# KiCad board accelerator.kicad_pcb (continued)
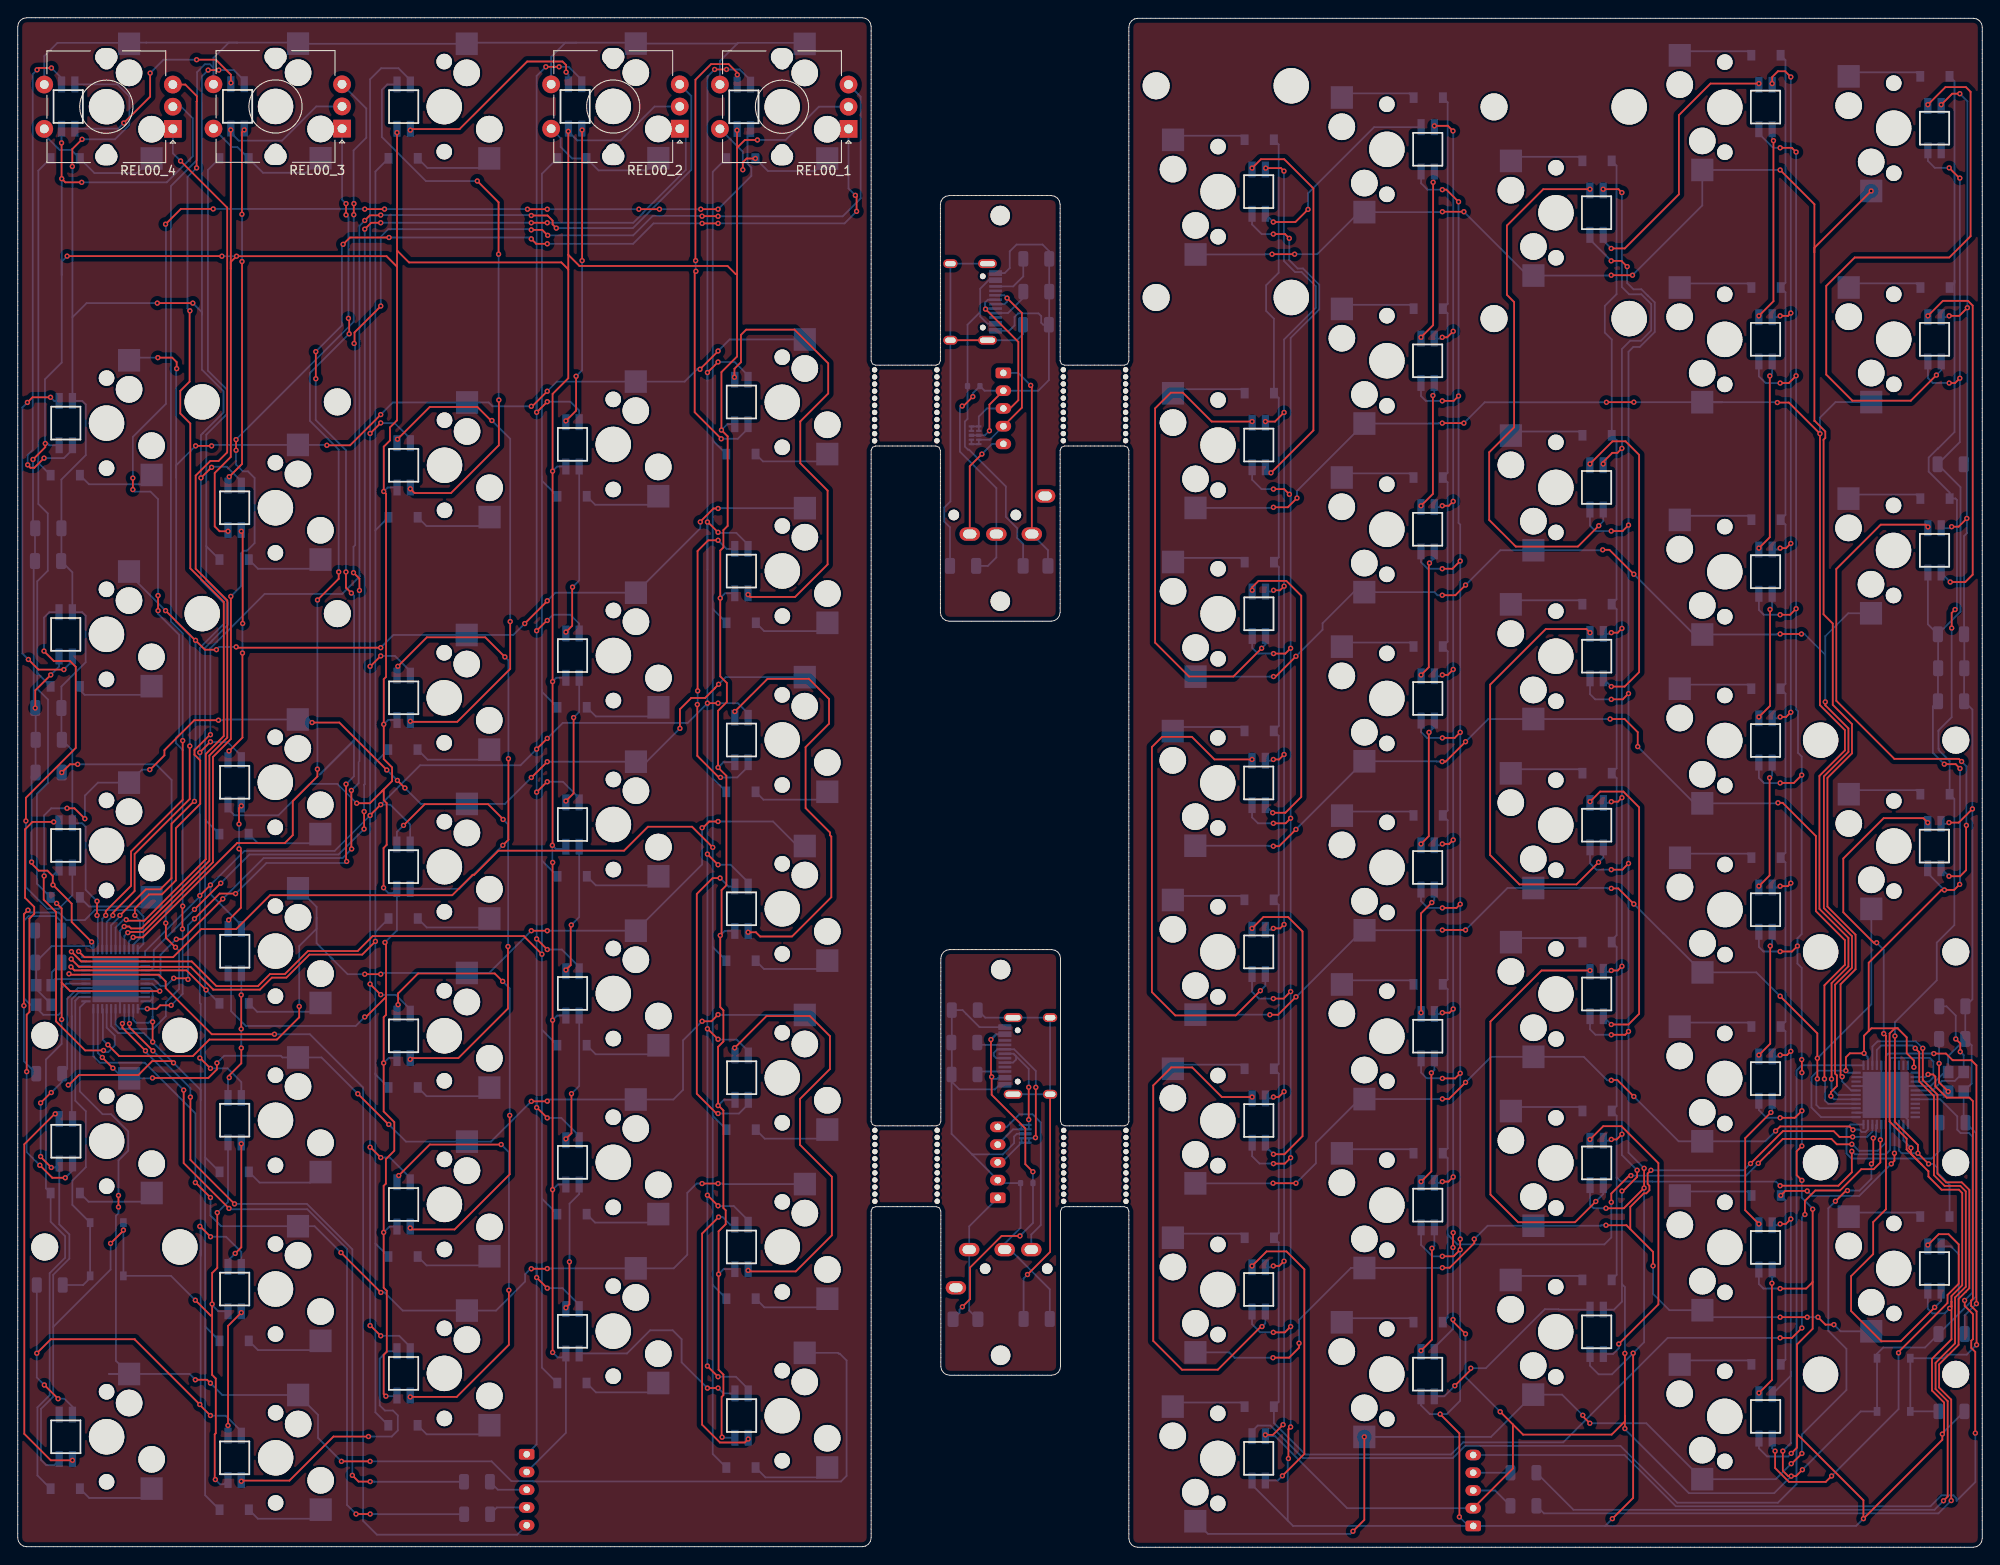
[diagram p0: board, top side]
## Routing (per net, layer and track width the routed paths; a pad name or vN(x,y) marks a point on that pad's centre or on a via; arc(x,y) is an arc through that point) (continued)
GNDLD: length 72.3
  Top w0.2: v1(106.5,128.7) 106.64,128.7 v1(107.7,129.76) ; v1(109.57,125.91) 109.57,128.86 JLD2.2
  Bottom w0.2: CLD1.1 109.39,110.67 110.35,111.63 JLD1.3 110.35,119.45 106.24,123.56 106.24,128.44 v1(106.5,128.7) ; USBLD1.A1 111.8,137.19 112.4,137.79 112.4,138.74 112.81,139.15 115.1,139.15 115.41,138.84 115.41,138.09 115.63,137.87 RLD1.1 ; RLD1.1 116.27,131.63 115.08,130.43 JLD2.2 109.02,130.43 ESDDLD1.2 107.7,130.15 v1(107.7,129.76) ; RLD1.1 116.31,137.91 RLD2.1 RLD3.1 116.31,146.16 115.56,146.91 112.63,146.91 111.86,146.14 111.86,144.26 111.29,143.69 USBLD1.A12 ; v1(109.57,125.91) 109.06,125.4 ULD1.3 ULD1.8
GNDPWRLD: length 48.3
  Top w0.2: USBLD1.S1 USBLD1.S1
  Bottom w0.2: USBLD1.S1 112.66,136.12 113.35,136.81 RLD1.2 ; CLD1.2 105.12,115.03 104.48,115.67 104.48,117.25 105.17,117.94 USBLD1.S1 USBLD1.S1 USBLD1.S1
GNDPWRRD: length 47.9
  Top w0.2: v1(113.86,30.76) 116.41,33.31 USBRD1.S1
  Bottom w0.2: RRD1.2 109.1,59.73 USBRD1.S1 USBRD1.S1 USBRD1.S1 USBRD1.S1 ; CRD1.2 113.42,30.32 v1(113.86,30.76)
GNDR: length 981.9
  Top w0.2: v1(178.77,153.16) 180.5,153.16 v1(180.88,152.78) ; v1(182.6,42.52) 182.6,41.77 181.01,40.18 v1(180.89,40.18) ; v1(140.68,12.68) 141.53,12.68 v1(142.68,13.82) ; v1(179.69,65.05) 180.41,65.05 v1(180.89,65.53) ; v1(142.79,70.24) 142.35,69.8 v1(141.58,69.8) ; v1(140.72,155.53) 142.44,155.53 v1(142.78,155.2) ; 181.22,14.84 v1(181.22,13.39) ; 181.22,14.84 181.22,14.2 179.73,12.71 169.74,12.71 168.6,13.85 ; 181.22,14.84 v1(181.22,21.87) ; v1(142.79,127.98) 141.77,126.95 v1(140.69,126.95) ; v1(161.87,41.77) 161.34,41.24 v1(160.64,41.24) ; v1(141.59,50.78) 142.18,50.78 v1(142.79,51.39) ; v1(141.58,31.73) 142.25,31.73 v1(142.79,32.27) ; v1(179.69,103.14) 180.41,103.14 v1(180.89,103.63) ; v1(198.73,36.47) 199.37,36.47 v1(199.93,37.03) ; v1(220.41,83.27) 218.87,81.73 v1(217.77,81.73) ; v1(160.64,98.38) 161.25,98.38 v1(161.87,99) ; v1(180.88,123.93) 180.38,123.43 179.81,123.43 178.78,122.4 v1(178.78,122.18) ; v1(159.74,160.3) 161.26,160.3 v1(161.84,159.73) ; v1(197.83,165.07) 197.83,165.81 198.48,166.46 199.29,166.46 v1(199.93,165.82) ; v1(198.73,112.68) 199.4,112.68 v1(199.93,113.21) ; v1(160.64,60.29) 161.45,60.29 v1(161.87,60.71) ; 168.6,13.85 v1(167.16,15.29) ; 168.6,13.85 168.6,8.88 JR3.2 ; 200.09,8.03 v1(199.98,8.03) ; 200.09,8.03 199.64,8.03 199.03,8.64 v1(199.03,10.85) ; 200.09,8.03 200.52,8.03 v1(201.24,8.75) ; v1(199.93,55.94) 199.5,55.51 v1(198.73,55.51) ; v1(199.93,94.17) 199.4,93.64 v1(198.73,93.64) ; v1(142.79,89.41) 142.23,88.85 v1(141.58,88.85) ; v1(160.63,117.46) 161.37,117.46 v1(161.87,117.96) ; v1(161.87,79.78) 161.41,79.32 v1(160.64,79.32) ; v1(180.89,46.59) 180.3,45.99 v1(179.69,45.99) ; v1(160.63,136.45) 161.19,136.45 v1(161.87,137.14) ; v1(161.87,35.48) 161.84,35.46 v1(161.84,33.81) ; v1(142.8,108.39) 142.34,107.93 v1(141.6,107.93) ; v1(218.99,163.93) 218.13,163.93 v1(216.89,162.69) ; v1(219.84,139.79) 218.93,138.88 v1(217.79,138.88) ; v1(163.25,24.07) 161.84,25.47 v1(161.84,25.68) ; v1(199.93,139.19) 199.62,138.88 v1(198.73,138.88) ; v1(180.89,84.54) 180.44,84.08 v1(179.69,84.08) ; v1(198.73,74.56) 199.59,74.56 v1(199.93,74.9) ; v1(218.07,115.1) 218.85,115.1 v1(219.78,116.03)
  Bottom w0.2: v1(140.72,155.53) 140.68,155.49 RLED8.3 ; RLED1.3 141.78,12.53 149.9,4.41 JR3.2 ; 180.88,124.81 v1(180.88,123.93) ; 180.88,124.81 180.88,44.24 v1(182.6,42.52) ; 180.88,124.81 180.88,135.13 181.82,136.07 183.03,136.07 184.19,137.23 184.19,140.22 184.17,140.22 183.08,141.31 181.7,141.31 180.88,142.13 v1(180.88,152.78) ; RLED9.3 159.73,22.52 161.84,24.63 v1(161.84,25.68) v1(161.84,33.81) ; 199.93,19.78 199.93,11.75 v1(199.03,10.85) ; 199.93,19.78 199.93,19.35 RLED25.3 ; 199.93,19.78 v1(199.93,37.03) v1(199.93,55.94) v1(199.93,74.9) v1(199.93,94.17) v1(199.93,113.21) v1(199.93,139.19) v1(199.93,165.82) ; UR1.41 209.63,52.02 UR1.45 ; v1(199.98,8.03) 198.06,6.11 188.44,6.11 181.22,13.33 v1(181.22,13.39) ; RLED20.3 179.54,83.93 v1(179.69,84.08) ; CR1.1 219.61,61 CR2.2 220.41,61.8 v1(220.41,83.27) 220.41,94.47 CR5.2 219.48,99.12 CR6.2 219.5,102.94 CR7.2 219.47,114.04 219.78,114.36 v1(219.78,116.03) 219.78,121.79 CR8.2 219.84,122.54 v1(219.84,139.79) 219.84,163.08 v1(218.99,163.93) ; CR1.1 217.68,55.4 YR1.4 217.29,53.6 215.71,52.02 UR1.15 211.63,52.02 UR1.45 ; CR1.1 220.33,56.61 220.33,52.3 YR1.2 219.43,48.09 RR4.1 220.82,46.7 220.82,28.28 218.87,26.33 ; v1(198.73,36.47) 198.58,36.32 RLED26.3 ; UR1.45 208.63,53.02 UR1.43 ; UR1.45 210.13,51.52 UR1.5 ; UR1.45 210.63,50.73 213.13,48.23 UR1.23 ; UR1.45 208.63,49.02 UR1.35 ; v1(141.58,69.8) 141.43,69.65 RLED4.3 ; v1(160.63,136.45) 160.48,136.3 RLED15.3 ; RLED12.3 160.49,79.17 v1(160.64,79.32) ; RLED5.3 141.43,88.7 v1(141.58,88.85) ; RLED36.3 217.62,81.58 v1(217.77,81.73) ; RLED17.3 179.99,26.8 180.89,27.7 180.89,29.68 ; v1(160.64,98.38) 160.49,98.23 RLED13.3 ; RLED3.3 141.44,50.63 v1(141.59,50.78) ; RLED19.3 179.54,64.9 v1(179.69,65.05) ; RLED28.3 198.58,74.41 v1(198.73,74.56) ; RLED39.3 217.64,138.73 v1(217.79,138.88) ; v1(180.89,40.18) 180.89,29.68 ; 180.89,29.68 181.22,29.35 v1(181.22,21.87) ; RLED18.3 179.54,45.84 v1(179.69,45.99) ; RLED31.3 198.58,138.73 v1(198.73,138.88) ; RLED11.3 160.49,60.14 v1(160.64,60.29) ; v1(141.58,31.73) 141.43,31.58 RLED2.3 ; 218.87,26.33 218.87,33.05 217.98,33.94 RLED34.3 ; 218.87,26.33 CR3.2 215.07,22.53 210.35,22.53 209.66,21.83 RESETR_SW1.D RESETR_SW1.C 207.81,15.32 v1(201.24,8.75) ; RLED30.3 198.58,112.53 v1(198.73,112.68) ; RLED6.3 141.45,107.78 v1(141.6,107.93) ; v1(163.25,24.07) 163.25,19.2 v1(167.16,15.29) ; v1(142.68,13.82) 142.79,13.94 v1(142.79,32.27) v1(142.79,51.39) v1(142.79,70.24) v1(142.79,89.41) 142.79,128.73 ; RLED21.3 179.54,102.99 v1(179.69,103.14) ; RLED14.3 160.48,117.31 v1(160.63,117.46) ; v1(142.78,155.2) 142.78,145.06 144.02,143.82 144.76,143.82 146.36,142.22 146.36,139.78 142.79,136.21 142.79,128.73 ; 142.79,128.73 v1(142.79,127.98) ; v1(198.73,93.64) 198.58,93.49 RLED29.3 ; RLED24.3 178.78,153.15 v1(178.77,153.16) ; RLED38.3 217.9,114.92 v1(218.07,115.1) ; v1(161.84,159.73) 161.87,159.7 v1(161.87,137.14) v1(161.87,117.96) v1(161.87,99) v1(161.87,79.78) v1(161.87,60.71) v1(161.87,41.77) v1(161.87,35.48) ; v1(198.73,55.51) 198.58,55.36 RLED27.3 ; RLED10.3 160.49,41.09 v1(160.64,41.24)
GNDRD: length 64.6
  Bottom w0.2: 107.61,44.3 107.62,44.31 111.08,44.31 112.35,45.58 112.35,46.32 112.66,46.63 URD1.3 URD1.8 ; 107.61,44.3 JRD2.2 110.85,41.07 ESDDRD1.2 113.08,36.03 111.29,34.24 JRD1.3 111.9,33.57 116.37,29.09 CRD1.1 ; 107.61,44.3 105.3,46.62 RRD3.1 ; RRD3.1 105.3,52.52 106.18,51.64 110.19,51.64 110.71,52.16 USBRD1.A12 ; RRD3.1 105.33,53.35 RRD1.1 106.54,60.58 106.96,60.16 106.96,60.15 108.45,58.66 USBRD1.A1
VCCLD: length 39.5
  Bottom w0.2: 108.53,139.3 108.53,141.93 109.49,142.89 USBLD1.A9 ; 108.53,139.3 107.1,137.87 ESDDLD1.1 107.1,127.25 106.8,126.95 106.8,124.13 107.15,123.78 107.27,123.78 111.42,119.63 111.42,116.2 112.71,114.91 112.71,113.82 113.37,113.16 FLD1.1 ; 108.53,139.3 108.53,138.8 109.34,137.99 USBLD1.A4
VCCRD: length 43.4
  Top w0.2: v1(109.74,57.26) 109.74,53.14 v1(109.82,53.06) 109.82,51.03 113.62,47.23 113.62,43.2 v1(114.47,42.35) ; v1(113.01,35.11) 110.94,35.11 107.39,31.55 107.39,27.99 v1(106.52,27.12)
  Bottom w0.2: v1(114.47,42.35) 114.47,41.08 ESDDRD1.1 114.48,36.58 v1(113.01,35.11) ; v1(109.74,57.26) 110.29,57.81 109.78,57.3 110.34,57.86 USBRD1.A4 ; FRD1.1 106.2,26.45 106.2,26.8 v1(106.52,27.12) ; v1(109.82,53.06) 110.03,52.85 110.03,52.83 110.46,52.83 110.59,52.96 USBRD1.A9
CCLD1: length 4.5
  Bottom w0.2: RLD2.2 113.39,140.91 111.67,139.19 USBLD1.A5
CCLD2: length 5.6
  Bottom w0.2: USBLD1.B5 112.25,142.19 113.39,143.33 RLD3.2
CCRD1: length 3.2
  Bottom w0.2: RRD2.2 108.46,56.66 USBRD1.A5
CCRD2: length 3.2
  Bottom w0.2: USBRD1.B5 108.56,53.66 RRD3.2
D+L: length 4.4
  Bottom w0.2: JL3.4 54.02,4.49 RL2.2
D+R: length 4.2
  Bottom w0.2: RR2.2 JR3.4
D-L: length 4.5
  Bottom w0.2: RL3.2 54.14,6.49 JL3.3
D-R: length 4.9
  Bottom w0.2: RR3.2 166.59,6.41 JR3.3
dataDL: length 12.5
  Top w0.2: JLD1.2 107.35,121.91 v1(108.72,123.28)
  Bottom w0.2: v1(108.72,123.28) 109.87,124.43 JLD2.5
dataDR: length 20.6
  Bottom w0.2: JRD2.5 111.52,47.41 112.94,48.83 114.44,48.83 115.36,47.91 115.36,36.34 114.29,35.27 JRD1.2
dataL: length 109.3
  Top w0.2: v1(5.78,64.67) 5.88,64.57 15.92,64.57 16.68,63.81 16.68,63.06 21.88,57.86 v1(28.95,57.86)
  Bottom w0.2: v1(28.95,57.86) 32.94,57.86 38.95,51.85 38.95,2.97 40.5,1.42 56.32,1.42 JL3.5 ; v1(5.78,64.67) 5.88,64.57 UL1.18
dataR: length 109.9
  Top w0.2: v1(219.53,27.84) 219.54,27.83 219.54,27.22 220.47,26.29 220.47,23.48 220.28,23.29 220.28,22.49 220.73,22.04 220.73,12.89 v1(220.74,12.88)
  Bottom w0.2: UR1.18 216.78,50.52 218.7,48.59 218.7,47.1 219.09,46.71 220.03,46.71 220.42,46.32 220.42,28.73 v1(219.53,27.84) ; JR3.5 181.18,10.41 186.96,4.63 215.68,4.63 216.92,5.87 218.27,5.87 218.62,5.51 218.62,5.24 220.74,7.36 v1(220.74,12.88)
DLD+: length 24.5
  Top w0.2: v1(111.56,140.87) 113.23,139.2 113.23,128.52 JLD2.4
  Bottom w0.2: USBLD1.A6 111.28,140.19 111.56,140.47 v1(111.56,140.87) 111.24,141.19 USBLD1.B6 ; ULD1.7 ULD1.6 ULD1.5 ULD1.4 109.61,124.9 JLD2.4
DLD-: length 23.6
  Top w0.2: JLD2.3 111.9,128.43 112.83,129.36 112.83,135.93 109.13,139.63 v1(109.13,139.63)
  Bottom w0.2: JLD2.3 109.29,128.43 108.37,127.51 ULD1.1 ; ULD1.1 ULD1.10 ULD1.9 ; ULD1.1 ULD1.2 ; v1(109.13,139.63) 109.08,139.68 109.08,140.21 ; USBLD1.A7 109.39,140.69 109.08,140.38 109.08,140.21 ; 109.08,140.21 109.08,139.9 109.29,139.69 USBLD1.B7
DRD+: length 17
  Top w0.2: v1(114,51.88) v1(114,48.23)
  Bottom w0.2: URD1.6 URD1.7 ; URD1.6 114,47.65 v1(114,48.23) ; URD1.6 URD1.5 URD1.4 112.23,47.13 JRD2.4 ; 112.35,55.6 112.29,55.66 USBRD1.A6 ; 112.35,55.6 114,53.95 v1(114,51.88) ; 112.35,55.6 112.57,55.38 112.57,55 112.23,54.66 USBRD1.B6
DRD-: length 21.5
  Top w0.2: v1(114.76,46.19) 114.8,46.23 114.8,51.93 v1(114.8,51.87)
  Bottom w0.2: USBRD1.A7 110.34,55.16 110.05,55.45 110.05,55.74 110.47,56.16 USBRD1.B7 112.35,56.16 114.8,53.71 v1(114.8,51.87) ; URD1.1 110.97,43.41 JRD2.3 ; URD1.1 URD1.10 URD1.9 114.69,46.13 v1(114.76,46.19) ; URD1.1 URD1.2
lcol01: length 215.2
  Top w0.2: v1(9.92,71.26) 9.92,71.74 12.78,74.6 12.78,78.48 18.6,84.3 v1(18.6,90.97)
  Bottom w0.2: SWL00_1.1 88.62,169.66 81.22,169.66 81.16,169.59 ; REL00_1.S2 79.18,167.62 81.16,169.59 ; 81.16,169.59 81.14,169.58 SWL00_9.1 69.6,169.68 62.98,169.68 ; 62.98,169.68 61.75,169.68 60.15,168.08 REL00_2.S2 ; 62.98,169.68 50.75,169.68 SWL00_17.1 31.63,169.55 SWL00_25.1 31.5,169.69 24.74,169.69 ; 24.74,169.69 14.49,169.69 12.7,169.69 SWL00_33.1 12.45,169.66 4.48,169.66 2.99,168.17 REL00_4.S2 ; 24.74,169.69 23.8,169.69 22.07,167.96 REL00_3.S2 ; UL1.25 9.53,70.87 v1(9.92,71.26) ; 22.07,166.84 21.66,167.25 21.11,167.25 20.22,166.36 20.22,156.46 17.27,153.51 17.27,104.39 18.6,103.06 v1(18.6,90.97)
lcol02: length 155
  Top w0.2: v1(17.92,132.92) 17.92,133.66 17.42,134.16 v1(15.8,134.16) ; v1(57.91,128.67) 58.01,128.67 v1(59.71,130.37) ; v1(19.4,90.36) 19.39,90.35 19.39,84.39 13.18,78.18 13.18,74.01 10.72,71.55 v1(10.72,71.26) ; v1(40.93,127.74) 40.93,127.73 37.48,124.27 v1(34.86,124.27) ; v1(76.93,132.85) 78.97,134.89 v1(78.97,134.91) ; v1(20.06,124.21) v1(21.86,124.21)
  Bottom w0.2: v1(17.92,132.92) 17.86,132.86 17.86,120.64 ; v1(78.97,134.91) 80.27,136.21 SWL00_2.1 ; v1(15.8,134.16) 12.86,134.16 SWL00_34.1 ; v1(10.72,71.26) 10.72,71.21 10.03,70.52 UL1.26 ; 17.86,120.64 17.86,122.01 v1(20.06,124.21) ; 17.86,120.64 17.86,104.36 19.4,102.83 v1(19.4,90.36) ; v1(57.91,128.67) 53.54,128.67 53.1,129.11 SWL00_18.1 42.3,129.11 v1(40.93,127.74) ; v1(76.93,132.85) 76.59,132.85 75.2,131.46 SWL00_10.1 60.8,131.46 v1(59.71,130.37) ; v1(21.86,124.21) 21.97,124.31 SWL00_26.1 34.82,124.31 v1(34.86,124.27)
lcol03: length 127
  Top w0.2: v1(11.52,71.26) 14.46,74.2 16.08,74.2 17.34,75.46 17.34,81.59 19.87,84.12 v1(19.93,84.12) ; v1(24.63,101.54) 24.72,101.45 v1(40.93,101.45) ; v1(22.4,101.22) 21.1,101.22 v1(20.05,102.28) 20.02,102.28 v1(16.67,105.63) ; v1(57.17,104.17) 59.53,106.53 59.53,106.56 v1(59.71,106.74) ; v1(78.97,117.15) 78.45,117.15 76.97,115.67 v1(76.97,115.63)
  Bottom w0.2: v1(57.17,104.17) 55.88,102.88 SWL00_19.1 42.36,102.88 v1(40.93,101.45) ; v1(76.97,115.63) 76.97,114.91 SWL00_11.1 60.62,107.65 v1(59.71,106.74) ; v1(11.52,71.26) 11.52,71.14 10.53,70.15 UL1.27 ; v1(16.67,105.63) 12.55,109.75 SWL00_35.1 ; v1(20.05,102.28) 20.05,90.16 19.93,90.04 v1(19.93,84.12) ; v1(22.4,101.22) 22.72,101.54 v1(24.63,101.54) ; v1(78.97,117.15) 79,117.18 SWL00_3.1
lcol04: length 140.9
  Top w0.2: v1(14.89,87.7) 14.93,87.7 16.54,89.31 16.54,89.9 19.91,93.27 v1(22.63,93.27) ; v1(79.03,97.32) 78.58,96.87 78.58,96.85 77.51,95.78 75.94,95.78 74.67,94.51 v1(74.67,92.35) ; v1(59.71,88.59) 57.93,86.81 v1(57.91,86.81) ; v1(9.67,56.03) 7.6,56.03 4.32,59.31 4.32,71.64 2.93,73.03 2.93,75.66 v1(2.98,75.71) ; v1(5.56,83.34) 6.39,83.34 v1(7.57,82.16) ; v1(43.66,85.63) v1(42.81,86.48) ; v1(33.19,93.01) 36.26,93.01 v1(41.61,87.66)
  Bottom w0.2: v1(41.61,87.66) 41.63,87.66 v1(42.81,86.48) ; UL1.8 10.03,58.6 10.94,57.69 10.94,56.59 10.19,55.84 9.86,55.84 v1(9.67,56.03) ; v1(43.66,85.63) 45.45,83.83 SWL00_20.1 54.93,83.83 v1(57.91,86.81) ; v1(33.19,93.01) 32.85,93.35 SWL00_28.1 23.19,93.35 23.11,93.27 v1(22.63,93.27) ; v1(59.71,88.59) 60.22,88.59 60.22,88.59 SWL00_12.1 70.91,88.59 v1(74.67,92.35) ; SWL00_4.1 79.84,98.13 v1(79.03,97.32) ; v1(2.98,75.71) 2.98,82.54 3.78,83.34 v1(5.56,83.34) ; v1(7.57,82.16) 7.57,84.76 9.04,86.23 SWL00_36.1 14.02,87.7 v1(14.89,87.7)
lcol05: length 115.2
  Top w0.2: v1(57.91,69.53) v1(59.71,69.53) ; v1(31.74,60.99) 31.74,59.77 29.23,57.26 21.61,57.26 19.74,55.39 11.44,55.39 v1(10.17,56.66) ; v1(77.17,81.14) 77.26,81.14 77.97,81.85 v1(78.97,81.85) ; v1(39.13,64.63) v1(40.93,64.63)
  Bottom w0.2: UL1.9 9.61,60.66 9.61,57.23 v1(10.17,56.66) ; v1(77.17,81.14) 77.17,77 SWL00_13.1 59.71,69.53 v1(59.71,69.53) ; v1(57.91,69.53) 53.15,64.77 SWL00_21.1 41.07,64.77 v1(40.93,64.63) ; 33.7,70.99 33.7,69.76 31.74,67.8 v1(31.74,60.99) ; 33.7,70.99 33.7,68.13 35.54,66.29 35.29,66.54 37.2,64.63 v1(39.13,64.63) ; 33.7,70.99 33.7,72.21 SWL00_29.1 ; SWL00_5.1 87.94,79.08 85.17,81.85 v1(78.97,81.85)
lcol06: length 100.6
  Top w0.2: v1(15.19,52.93) 21.5,52.93 22.46,53.89 v1(22.46,54.61) ; v1(78.97,60.07) 78.22,59.32 v1(77.17,59.32) ; v1(10.73,54.04) 9.54,55.23 v1(9.54,55.24) ; v1(41.84,47.69) 41.8,47.69 v1(38.35,51.14) ; v1(57.91,50.29) 59.69,50.29 v1(59.71,50.31)
  Bottom w0.2: UL1.10 9.03,55.75 v1(9.54,55.24) ; v1(77.17,59.32) 75.02,57.17 75.02,51.59 73.93,50.5 SWL00_14.1 59.9,50.5 v1(59.71,50.31) ; v1(22.46,54.61) 23.28,55.43 29.66,55.43 29.85,55.24 SWL00_30.1 34.25,55.24 v1(38.35,51.14) ; v1(41.84,47.69) 43.78,45.75 SWL00_22.1 53.37,45.75 v1(57.91,50.29) ; v1(78.97,60.07) 79.29,60.07 79.33,60.03 SWL00_6.1 ; v1(10.73,54.04) 11.89,52.88 SWL00_38.1 15.15,52.88 v1(15.19,52.93)
lcol07: length 113.7
  Top w0.2: v1(20.03,41.13) 20.04,41.13 v1(21.73,39.44) ; v1(36.45,33.23) v1(40.95,28.73) ; v1(57.91,31.41) 59.69,31.41 v1(59.71,31.43) ; v1(77.17,41.02) v1(78.97,41.02)
  Bottom w0.2: UL1.11 8.53,55.38 9.27,54.64 14.33,54.64 20.03,48.94 v1(20.03,41.13) ; v1(77.17,41.02) 76.55,41.02 75.5,39.97 75.5,32.99 73.96,31.45 SWL00_15.1 60.22,31.45 60.2,31.43 v1(59.71,31.43) ; v1(21.73,39.44) 21.73,37.42 22.94,36.21 SWL00_31.1 33.47,36.21 v1(36.45,33.23) ; v1(78.97,41.02) 79.51,41.02 79.57,40.96 SWL00_7.1 ; v1(40.95,28.73) 41.37,28.73 43.41,26.69 SWL00_23.1 53.93,26.69 57.21,29.97 57.21,30.79 57.83,31.41 v1(57.91,31.41)
lcol08: length 156.7
  Top w0.2: v1(36.5,9.69) v1(39.73,9.69) ; v1(20.03,18.89) 21.35,18.89 v1(21.73,18.51) ; v1(11.36,39.68) v1(11.36,38.37)
  Bottom w0.2: v1(11.36,38.37) 11.36,37.67 11.07,37.38 11.07,21.03 SWL00_40.1 10.29,19.54 19.37,19.54 v1(20.03,18.89) ; SWL00_8.1 92.5,21.92 92.59,21.83 92.7,21.83 93.46,21.07 93.46,8.05 92.83,7.42 58.14,7.42 58.1,7.46 55.67,7.46 53.44,9.69 v1(39.73,9.69) ; v1(21.73,18.51) 23.07,17.17 SWL00_32.1 33.86,14.93 33.86,12.33 v1(36.5,9.69) ; v1(11.36,39.68) 11.36,43.63 12.46,44.73 12.46,46.9 10.52,48.84 9.57,48.84 7,51.41 7,60.88 UL1.12
LLED: length 171.8
  Top w0.2: v1(41.36,150.91) 41.35,150.91 v1(39.13,150.91) ; v1(18.57,69.73) 18.57,72.27 v1(18.6,72.3) ; v1(70.04,150.9) 72.35,150.9 v1(72.36,150.9) ; v1(15.82,107.33) 15.82,107.32 v1(15.82,105.63) ; v1(14.61,60.73) 15.66,60.73 16.05,61.12 v1(17.3,61.12) ; v1(16.67,149.21) 18.39,150.93 v1(22.04,150.93) ; v1(57.48,150.9) v1(59.71,150.9) ; v1(77.02,150.9) v1(78.97,150.9) ; v1(12.98,119.28) v1(12.98,120.58)
  Bottom w0.2: v1(41.36,150.91) 57.47,150.91 v1(57.48,150.9) ; v1(18.6,72.3) 18.6,89.93 17.84,90.69 17.84,91.29 18.2,91.65 18.2,102.9 15.82,105.27 v1(15.82,105.63) ; v1(77.02,150.9) 77.02,150.9 v1(72.36,150.9) ; v1(12.98,119.28) 13.21,119.05 14.97,119.05 15.82,118.2 v1(15.82,107.33) ; UL1.1 14.6,60.73 v1(14.61,60.73) ; v1(17.3,61.12) 18.6,62.42 18.6,69.7 v1(18.57,69.73) ; v1(12.98,120.58) 12.98,125.22 16.71,128.95 16.71,149.17 v1(16.67,149.21) ; v1(39.13,150.91) 39.11,150.93 v1(22.04,150.93) ; LLED1.4 82.29,159.61 82.29,156.03 82.72,155.6 82.72,154.65 v1(78.97,150.9) ; v1(59.71,150.9) v1(70.04,150.9)
lrow01: length 241.9
  Top w0.2: v1(6.87,67.2) 7.52,66.55 17.52,66.55 20.68,69.71 24.63,69.71 28.45,73.53 48.99,73.53 51.3,75.84 51.48,75.84 54.2,78.56 68.36,78.56 71.06,81.26 76.04,81.26 v1(78.37,78.93)
  Bottom w0.2: 78.37,124.82 78.37,105.82 ; 78.37,124.82 78.37,155.11 DL00_1.1 ; 78.37,124.82 DL00_2.1 ; 78.37,105.82 78.37,86.73 ; 78.37,105.82 79.93,104.26 DL00_3.1 ; DL00_8.1 78.37,10.52 78.37,29.58 ; DL00_4.1 79.9,85.2 78.37,86.73 ; DL00_6.1 79.92,47.1 78.37,48.65 ; 78.37,86.73 v1(78.37,78.93) 78.37,67.69 ; 78.37,29.58 79.91,28.04 DL00_7.1 ; 78.37,29.58 78.37,48.65 ; v1(6.87,67.2) 7.5,66.57 UL1.22 ; 78.37,67.69 78.37,48.65 ; 78.37,67.69 DL00_5.1
lrow02: length 212.5
  Top w0.2: v1(6.05,67.17) 7.15,66.07 19.62,66.07 22.4,63.29 27.09,63.29 28.44,64.64 30.12,64.64 32.72,67.24 38.33,67.24 40.02,68.93 57.06,68.93 v1(59.11,66.88)
  Bottom w0.2: 59.11,77.43 v1(59.11,66.88) 59.11,58.36 ; 59.11,77.43 59.11,96.68 ; 59.11,77.43 DL00_12.1 ; 59.11,120.75 59.11,154.9 60.84,156.63 DL00_9.1 ; 59.11,120.75 59.11,120.28 DL00_10.1 ; 59.11,120.75 59.11,96.68 ; DL00_14.1 59.11,39.31 ; 59.11,39.31 59.11,58.36 ; 59.11,39.31 59.11,20.26 DL00_15.1 ; 59.11,58.36 60.85,56.62 DL00_13.1 ; DL00_11.1 59.11,96.48 59.11,96.68 ; UL1.21 7.14,66.07 6.86,66.35 6.86,66.36 v1(6.05,67.17)
lrow03: length 194.7
  Top w0.2: v1(40.33,68.33) 38.84,66.84 32.89,66.84 30.29,64.24 28.66,64.24 27.31,62.89 22.04,62.89 22.04,62.9 19.48,65.46 6.91,65.46 v1(6.03,66.34)
  Bottom w0.2: 40.33,114.69 41.8,116.16 DL00_18.1 ; 40.33,114.69 40.33,155.15 41.81,156.63 DL00_17.1 ; 40.33,114.69 40.33,88.43 ; DL00_22.1 40.33,34.26 ; 40.33,34.26 40.33,15.22 DL00_23.1 ; 40.33,34.26 40.33,53.45 ; v1(6.03,66.34) 6.8,65.57 UL1.20 ; 40.33,69.4 41.81,70.88 DL00_20.1 ; 40.33,69.4 v1(40.33,68.33) 40.33,53.45 ; 40.33,69.4 40.33,88.43 ; 40.33,88.43 40.33,88.51 DL00_19.1 ; DL00_21.1 40.33,53.34 40.33,53.45
lrow04: length 187
  Top w0.2: v1(6,65.45) 6,65.45 6.39,65.06 19.03,65.06 v1(21.23,62.85)
  Bottom w0.2: 21.13,43.97 22.76,42.34 DL00_30.1 ; 21.13,43.97 21.13,24.91 ; 21.13,43.97 21.13,62.96 ; 21.13,82.05 21.13,62.96 ; 21.13,82.05 21.13,101.44 21.94,102.25 21.94,102.27 23.72,104.05 23.72,106.55 21.26,109.01 21.26,112.89 ; 21.13,82.05 22.74,80.44 DL00_28.1 ; 21.13,62.96 v1(21.23,62.85) 22.75,61.34 DL00_29.1 ; v1(6,65.45) 6.38,65.07 UL1.19 ; DL00_31.1 22.75,23.29 21.13,24.91 ; 21.26,112.89 22.75,111.4 DL00_26.1 ; 21.26,112.89 21.26,125.47 23.6,127.81 23.6,130.54 21.44,132.7 21.44,155.33 22.74,156.63 DL00_25.1 ; 21.13,24.91 21.13,5.87 DL00_32.1
lrow05: length 175.1
  Top w0.2: 4.95,63.68 5.92,62.72 v1(16.01,62.72) ; 4.95,63.68 v1(4.95,59.53) ; 4.95,63.68 4.95,72.05 v1(4.38,72.61)
  Bottom w0.2: v1(4.95,59.53) 4.95,56.77 3.18,55 3.18,40.48 DL00_38.1 3.71,36.71 5.34,35.08 5.34,32.65 3.6,30.91 3.6,17.15 2.22,15.77 2.22,8.1 DL00_40.1 ; 2.2,98.79 2.2,108.94 3.39,110.13 3.39,116.59 2.32,117.66 2.32,122.44 ; 2.2,98.79 2.2,96.81 3.41,95.6 3.41,86.22 2.16,84.97 2.16,74.84 DL00_36.1 v1(4.38,72.61) ; 2.2,98.79 2.2,98.6 DL00_35.1 ; DL00_34.1 2.32,122.3 2.32,122.44 ; 2.32,122.44 2.32,155.25 3.7,156.63 DL00_33.1 ; UL1.40 15.16,63.57 v1(16.01,62.72)
rcol01: length 129.5
  Top w0.2: v1(177.27,13.99) 176.47,14.78 v1(176.47,14.88) ; v1(199.98,9.43) 200.03,9.43 v1(201.18,10.58) ; v1(204.96,39.03) 206.16,40.23 v1(206.32,40.23) ; v1(150.56,1.81) 151.84,3.09 v1(151.84,12.45) ; v1(209.23,46.14) 209.23,43.45 v1(209.02,43.24)
  Bottom w0.2: v1(177.27,13.99) 183.64,13.99 SWR00_25.1 198.24,7.68 v1(199.98,9.43) ; v1(150.56,1.81) 150.26,1.51 134.21,1.51 SWR00_1.1 ; v1(201.18,10.58) 201.18,12.72 206.2,17.74 206.2,22.38 204.16,24.42 204.16,38.23 v1(204.96,39.03) ; v1(206.32,40.23) 207.69,40.23 209.02,41.56 v1(209.02,43.24) ; v1(151.84,12.45) 166.12,12.45 SWR00_17.1 174.15,17.21 v1(176.47,14.88) ; UR1.30 209.56,47.6 209.56,46.32 209.38,46.14 v1(209.23,46.14)
rcol02: length 128.8
  Top w0.2: v1(184.4,31.74) 184.4,31.59 184.4,33.32 181.83,35.89 ; v1(204.79,25.11) 203.84,25.11 v1(203,25.95) ; 181.83,35.89 181.83,38.39 183.36,39.92 183.64,39.92 183.99,40.27 183.99,40.76 183.79,40.96 183.79,42.15 v1(184.16,42.52) ; 181.83,35.89 181.4,36.32 v1(179.09,36.32) ; v1(160.64,31.53) 161.47,31.53 164.24,34.3 v1(164.24,34.76) ; v1(206.9,46.28) 205.42,46.28 204.77,46.93 199.04,46.93 v1(195.39,43.27) ; v1(144.48,23.02) 144.48,22.51 143.36,21.39 141.55,21.39 v1(141.54,21.38) ; v1(201.78,25.95) v1(198.73,25.95)
  Bottom w0.2: v1(144.48,23.02) 144.48,25.66 150.32,31.5 SWR00_10.1 160.19,31.5 160.22,31.53 v1(160.64,31.53) ; UR1.31 209.13,46.89 208.53,46.28 v1(206.9,46.28) ; v1(141.54,21.38) 137.23,21.38 137.22,21.37 136.61,21.98 SWR00_2.1 ; SWR00_34.1 205.54,24.36 v1(204.79,25.11) ; v1(184.16,42.52) 194.63,42.52 v1(195.39,43.27) ; v1(203,25.95) v1(201.78,25.95) ; v1(198.73,25.95) 190.75,25.95 SWR00_26.1 186.24,26.74 184.4,28.58 v1(184.4,31.74) ; v1(179.09,36.32) 178.55,36.32 178.5,36.26 SWR00_18.1 165.75,36.26 v1(164.24,34.76)
rcol03: length 88.7
  Top w0.2: v1(179.69,52.67) 179.72,52.7 180.37,52.7 v1(182.23,50.84) ; v1(163.26,52.43) 161.4,50.57 v1(160.64,50.57) ; v1(206.94,47.08) 206.56,47.46 198.72,47.46 v1(198.22,46.95) ; v1(144.13,41.06) v1(141.55,41.06)
  Bottom w0.2: v1(163.26,52.43) 166.14,55.31 SWR00_19.1 176.59,55.31 179.23,52.67 v1(179.69,52.67) ; UR1.32 208.63,47.13 208.35,46.84 207.92,46.84 207.67,47.09 207.67,47.11 206.96,47.11 v1(206.94,47.08) ; v1(141.55,41.06) 141.53,41.04 SWR00_3.1 ; v1(144.13,41.06) 146.38,43.31 146.38,45.61 151.32,50.55 SWR00_11.1 160.3,50.55 160.32,50.57 v1(160.64,50.57) ; v1(182.23,50.84) 187.29,45.78 SWR00_27.1 197.05,45.78 v1(198.22,46.95)
rcol04: length 115
  Top w0.2: v1(144.13,62.07) 142.12,60.06 v1(141.19,60.06) ; v1(163.26,69.62) 160.65,69.62 v1(160.64,69.61) ; v1(198.73,62.15) 202.93,57.95 v1(202.93,55.15) v1(202.93,52.83) ; v1(179.69,74.31) 180.47,74.31 v1(182.23,72.55)
  Bottom w0.2: v1(141.19,60.06) 141.18,60.07 SWR00_4.1 ; UR1.36 203.18,49.52 202.81,49.89 202.81,52.72 v1(202.93,52.83) ; v1(182.23,72.55) 185.56,69.22 185.59,69.22 SWR00_28.1 196.05,64.83 v1(198.73,62.15) ; v1(144.13,62.07) 144.16,62.07 151.67,69.58 SWR00_12.1 160.62,69.58 v1(160.64,69.61) ; v1(163.26,69.62) 167.99,74.35 SWR00_20.1 179.23,74.35 179.27,74.31 v1(179.69,74.31) ; SWR00_36.1 209.01,61.23 v1(202.93,55.15)
rcol05: length 118.3
  Top w0.2: v1(141.58,79.07) 142.24,79.07 v1(144.13,80.96) ; v1(203.73,52.81) 203.73,63.38 206.03,65.69 206.03,68.47 202.76,71.74 202.76,80.21 199.01,83.96 v1(198.49,83.96) ; v1(182.67,90.3) 182.67,91.93 181.19,93.41 v1(179.56,93.41) ; v1(163.26,90.85) 161.02,88.61 v1(160.62,88.61)
  Bottom w0.2: v1(182.67,90.3) 189.07,83.9 SWR00_29.1 198.43,83.9 v1(198.49,83.96) ; v1(160.62,88.61) 160.01,88.61 159.98,88.64 SWR00_13.1 151.82,88.64 v1(144.13,80.96) ; SWR00_5.1 141.03,79.12 141.08,79.07 v1(141.58,79.07) ; v1(203.73,52.81) 203.79,52.75 203.79,50.38 204.15,50.02 UR1.37 ; v1(179.56,93.41) 179.09,93.41 179.09,93.41 SWR00_21.1 165.82,93.41 v1(163.26,90.85)
rcol06: length 148.4
  Top w0.2: v1(141.6,98.2) 141.85,98.2 v1(144.13,100.48) ; v1(163.26,108.52) 162.11,107.37 v1(160.63,107.37) ; v1(182.23,109.74) 179.48,112.49 v1(178.72,112.49) ; v1(204.45,50.89) 204.45,51.34 205.13,52.01 205.13,53.22 204.93,53.42 204.93,63.45 206.83,65.35 206.83,68.92 203.66,72.09 203.66,86.93 206.43,89.7 206.43,92.35 203.82,94.96 v1(203.82,95.34) ; v1(201.13,103) v1(198.73,103)
  Bottom w0.2: v1(141.6,98.2) 141.21,98.2 141.2,98.19 SWR00_6.1 ; SWR00_38.1 206.41,105.33 203.82,102.75 203.82,100.65 ; v1(163.26,108.52) 167.18,112.44 SWR00_22.1 178.68,112.44 v1(178.72,112.49) ; UR1.38 204.82,50.52 v1(204.45,50.89) ; 203.82,100.65 201.47,103 v1(201.13,103) ; 203.82,100.65 v1(203.82,95.34) ; v1(182.23,109.74) 189.03,102.94 SWR00_30.1 198.36,102.94 198.42,103 v1(198.73,103) ; v1(144.13,100.48) 147.13,103.48 147.13,104.21 150.64,107.72 SWR00_14.1 159.74,107.72 160.09,107.37 v1(160.63,107.37)